# Altium PCB PCB - 100x100 - 85x85.PcbDoc (part 1 of 2)
Units mil, origin at the board's own origin, x right, y up, seen from the top; angles counter-clockwise.
Board outline 3937.01 x 3937.01 mil, 2 copper layers (Top Layer, Bottom Layer); 193 components, 168 nets, 616 pads, 0 vias.
Unrouted connection lines stored in the file: 41.
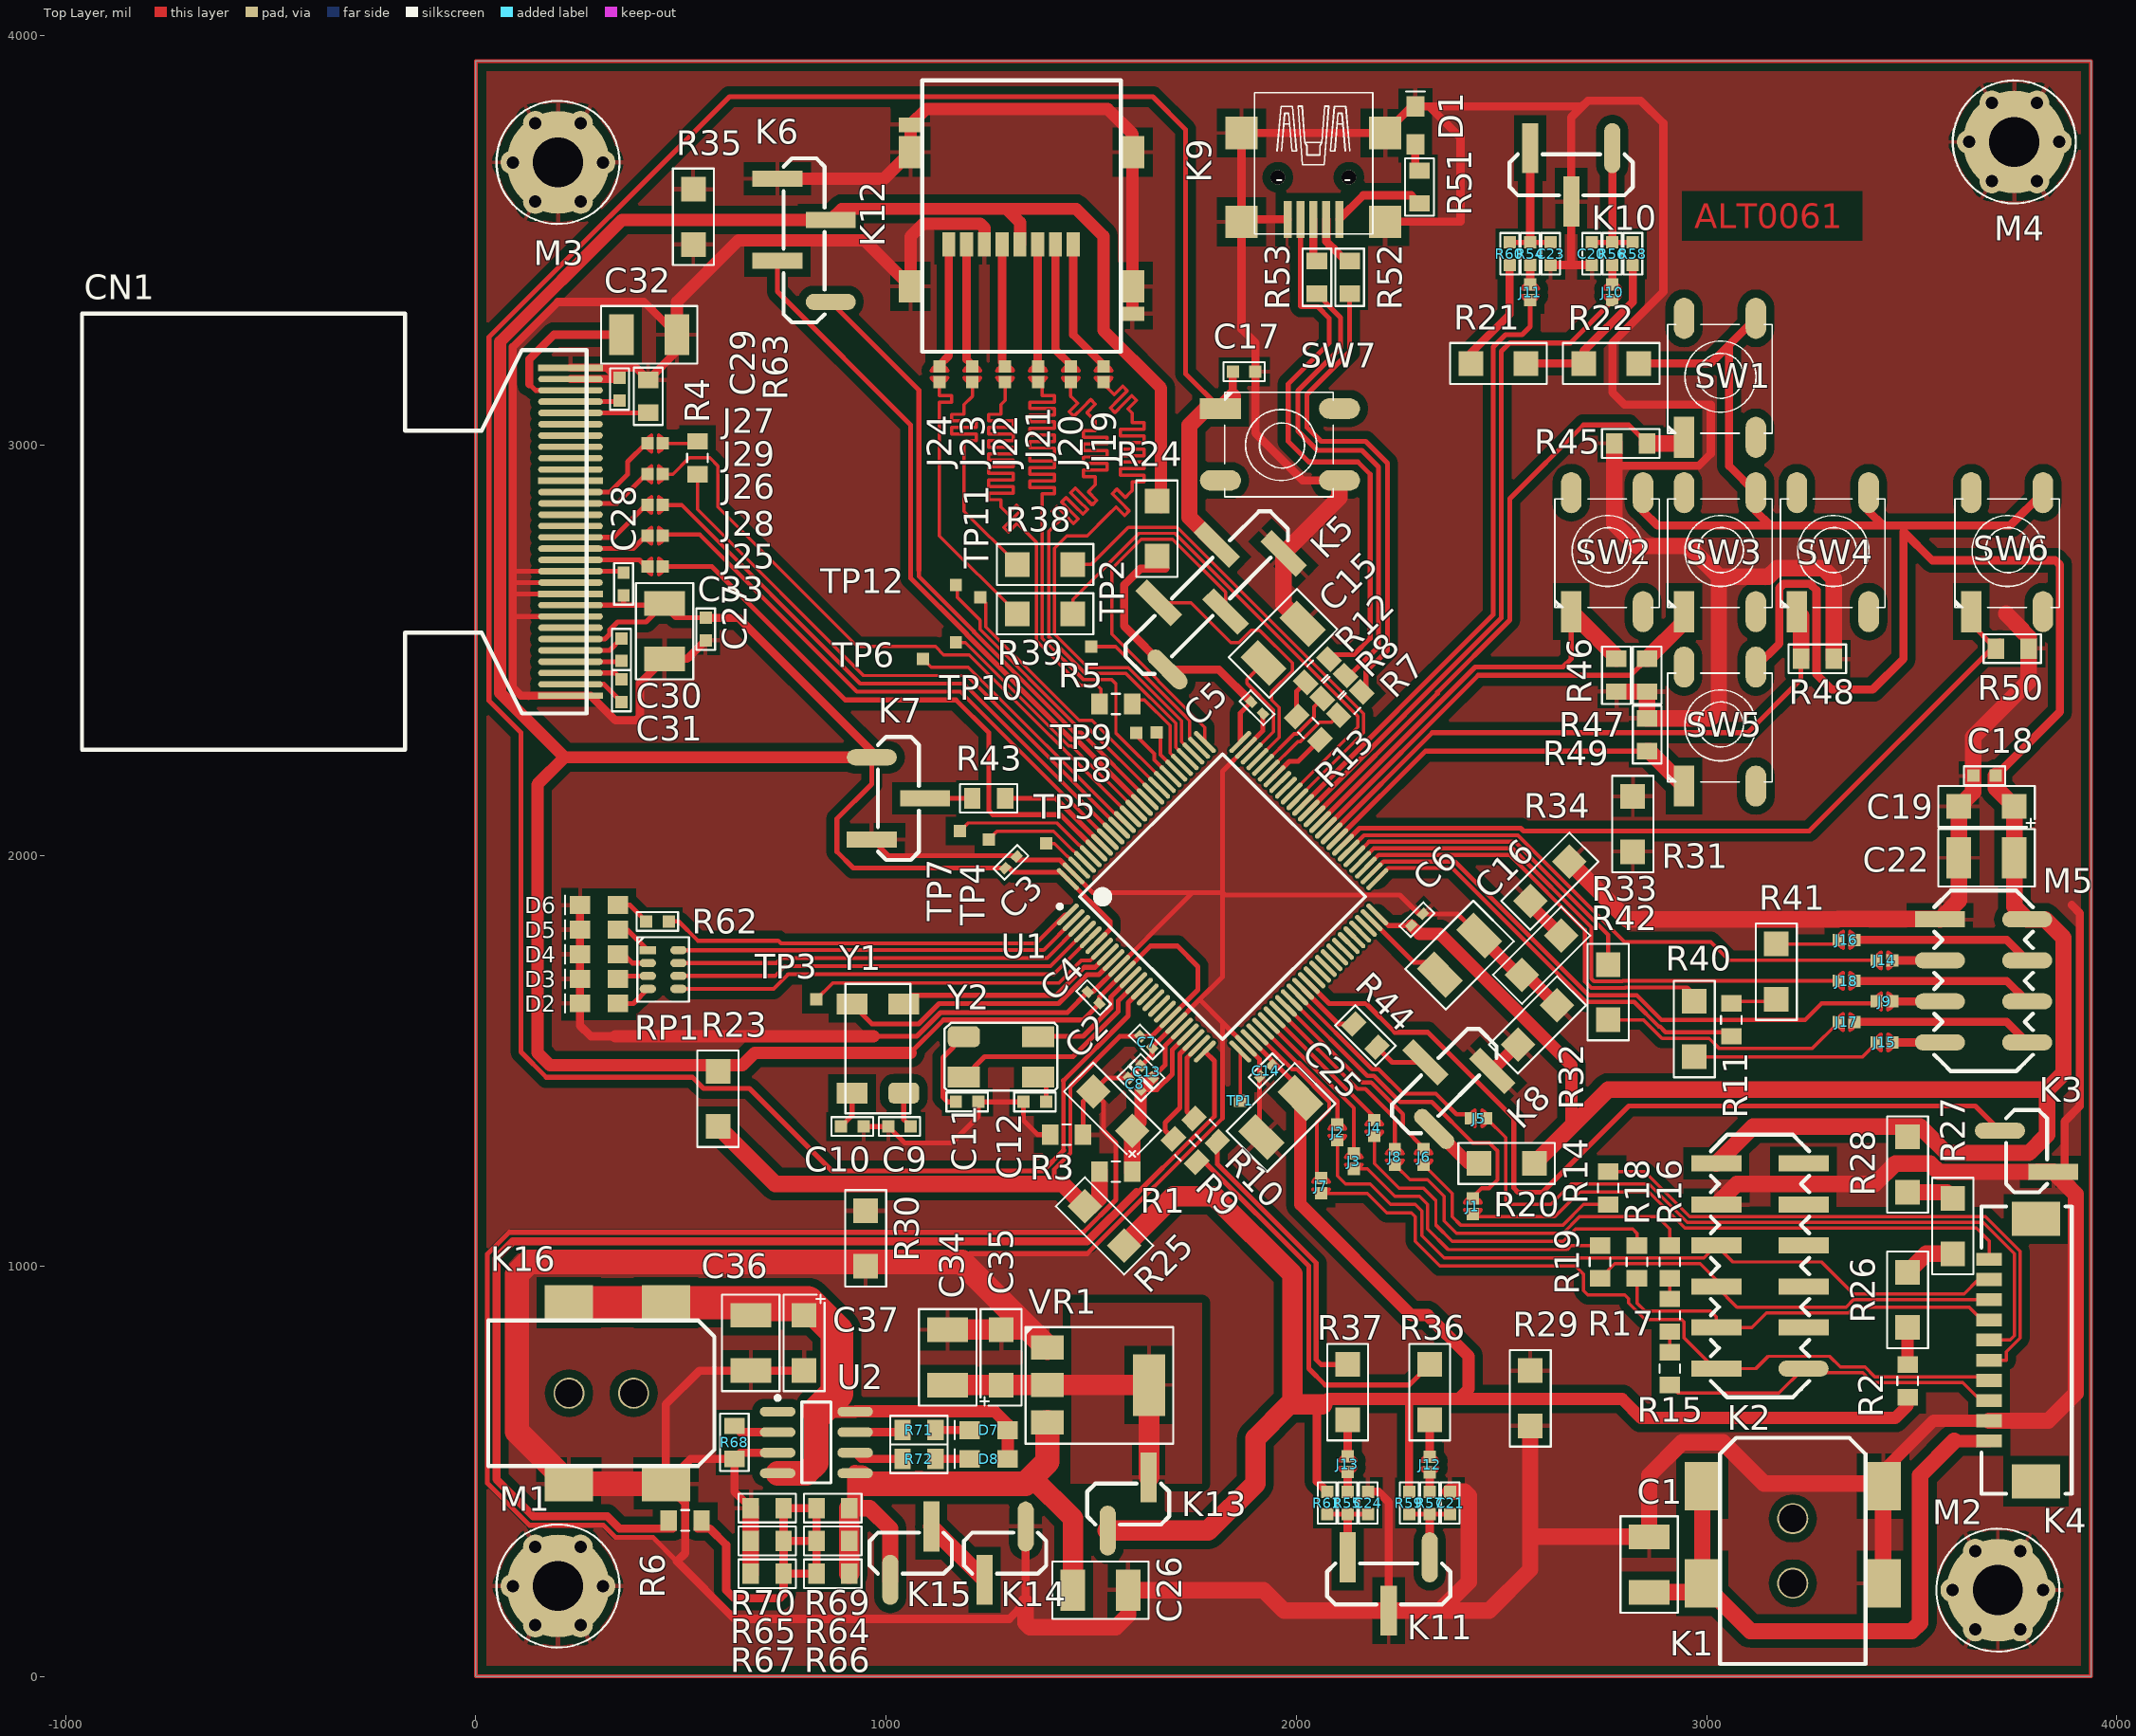
[diagram p0: Top Layer view]
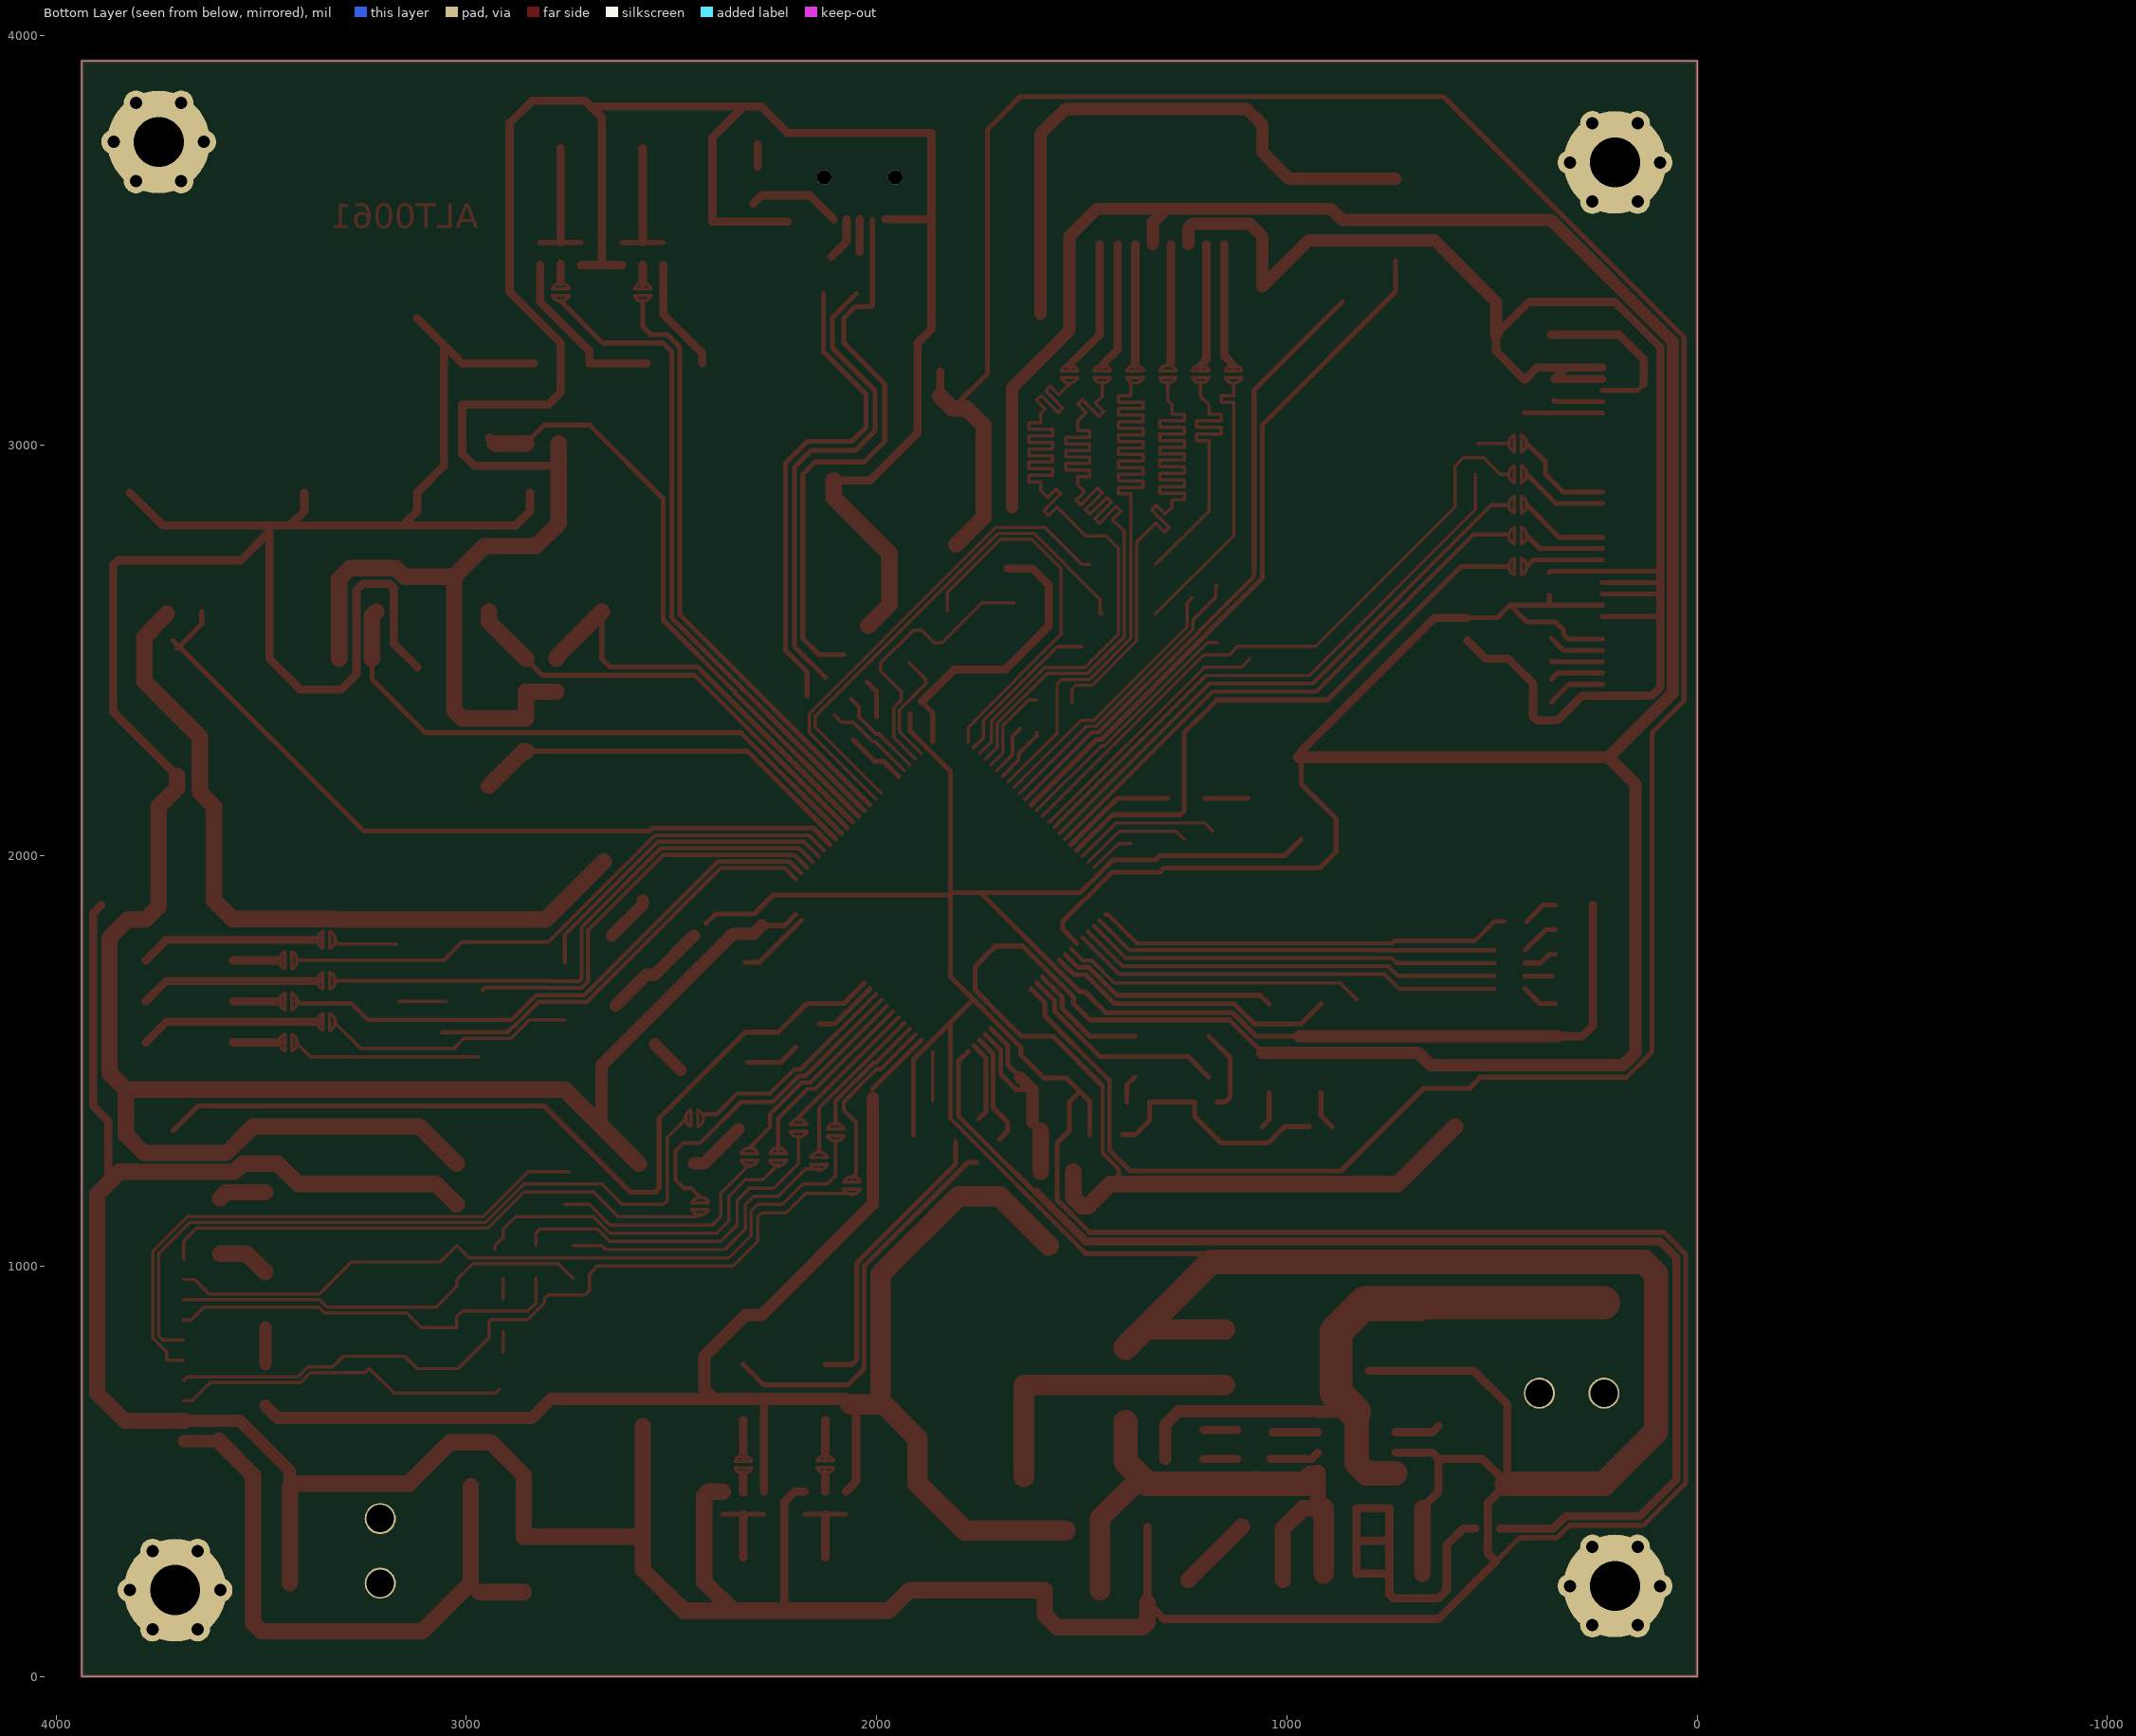
[diagram p1: Bottom Layer view, seen from below]

## Layer stack, top to bottom
Top Solder: solder mask 0.4, Solder Resist, Dk 3.5
Top Layer: signal copper 1.4
Dielectric1: dielectric 12.6, FR-4, Dk 4.8
Bottom Layer: signal copper 1.4
Bottom Solder: solder mask 0.4, Solder Resist, Dk 3.5

## Board outline
0,0 3937.01,0 3937.01,3937.01 0,3937.01

## Design rules (kind name [scope] priority, off if disabled: settings)
Clearance Clearance_2 [InComponent('U1')] p1: gap=6
Clearance Clearance_1 [InPolygon] p2: gap=20
Clearance [All] p3: gap=6
DiffPairsRouting [All] p1: maxlimit=10 minlimit=6 mostfreqgap=10 toplayer_minwidth=8 toplayer_maxwidth=15 toplayer_prefwidth=10 bottomlayer_minwidth=8 bottomlayer_maxwidth=15 bottomlayer_prefwidth=10 maxuncoupledlength=500
HoleSize [All] p1: absolutevalues=TRUE maxlimit=300 minlimit=1 maxpercent=80.000 minpercent=20.000
Length [(InNet('SD_DAT2') OR InNet('SD_DAT3') OR InNet('SD_CMD') OR InNet('SD_CLK') OR InNet('SD_DAT0') OR InNet('SD_DAT1'))] p1: maxlimit=2200 minlimit=2100
MatchedLengths [(InNet('SD_DAT2') OR InNet('SD_DAT3') OR InNet('SD_CMD') OR InNet('SD_CLK') OR InNet('SD_DAT0') OR InNet('SD_DAT1'))] p1: tolerance=50 checknetsindiffpair=TRUE checkdiffpairvsdiffpair=TRUE checkothers=TRUE
MinimumSolderMaskSliver [All] p1: minsoldermaskwidth=1
PlaneConnect [All] p1: planeconnectstyle=Relief reliefexpansion=20 reliefentries=4 reliefconductorwidth=10 reliefairgap=20
PolygonConnect [All] p1: connectstyle=Relief reliefconductorwidth=10 reliefentries=4 polygonreliefangle="90 Angle" airgapwidth=20
RoutingVias [All] p1: holewidth=28 width=50 viastyle="Through Hole" minholewidth=28 minwidth=50 maxholewidth=28 maxwidth=50
SilkToSilkClearance [All] p1: silktosilkclearance=0
SilkToSolderMaskClearance [IsPad] p1: minsilkscreentomaskgap=0 clearancetoexposedcopper=TRUE
SolderMaskExpansion [All] p1: expansion=4
Width [All] p1: maxlimit=150 minlimit=8 preferedwidth=20
24 further rules are at their usual default settings.

## Classes and differential pairs
differential pair USB: +USB_P -USB_N

## Components (designator, comment, footprint, x,y, rotation, side; value= is the part's Value field where it differs from the comment)
C1 "TBD" 1210C-GENERIC 2860,340 r270 top
C2 "1206 10u16V TANT" 1206C+_TANTAL-10u16V 1600,1330 r135 top
C3 "1uF" 0402C-GENERIC 1290,1970 r45 top
C4 "1uF" 0402C-GENERIC 1520,1640 r135 top
C5 "1uF" 0402C-GENERIC 1890,2375 r315 top
C6 "1uF" 0402C-GENERIC 2280,1830 r45 top
C7 "1uF" 0402C-GENERIC 1620,1560 r315 top
C8 "1uF" 0402C-GENERIC 1620,1430 r135 top
C9 "7pF" 0603C-GENERIC 1060,1340 r180 top
C10 "7pF" 0603C-GENERIC 890,1340 r0 top
C11 "22pF" 0603C-GENERIC 1170,1400 r0 top
C12 "22pF" 0603C-GENERIC 1390,1400 r180 top
C13 "1uF" 0402C-GENERIC 1650,1460 r135 top
C14 "1uF" 0402C-GENERIC 1940,1490 r225 top
C15 "TBD" 1210C-GENERIC 1920,2470 r45 top
C16 "TBD" 1210C-GENERIC 2350,1710 r45 top
C17 "100nF" 0603C-GENERIC 1900,3180 r180 top
C18 "100nF" 0603C-GENERIC 3650,2195 r0 top
C19 "1206 10u16V TANT" 1206C+_TANTAL-10u16V 3750,2120 r180 top
C20 "100nF" 0603C-GENERIC 2720,3440 r90 top
C21 "100nF" 0603C-GENERIC 2375,450 r270 top
C22 "TBD" 1210C-GENERIC 3750,1995 r180 top
C23 "100nF" 0603C-GENERIC 2620,3440 r90 top
C24 "100nF" 0603C-GENERIC 2175,450 r270 top
C25 "TBD" 1210C-GENERIC 2010,1410 r225 top
C26 "TBD" 1210C-GENERIC 1590,210 r180 top
C27 "1uF" 0603C-GENERIC 560,2580 r270 top
C28 "1uF" 0603C-GENERIC 360,2690 r270 top
C29 "2n2" 0603C-GENERIC 350,3110 r90 top
C30 "1uF" 0603C-GENERIC 355,2530 r270 top
C31 "1uF" 0603C-GENERIC 355,2430 r270 top
C32 "TBD" 1210C-GENERIC 490,3270 r180 top
C33 "TBD" 1210C-GENERIC 460,2480 r90 top
C34 "TBD" 1210C-GENERIC 1150,710 r90 top
C35 "1206 10u16V TANT" 1206C+_TANTAL-10u16V 1280,710 r90 top
C36 "TBD" 1210C-GENERIC 670,880 r270 top
C37 "1206 10u16V TANT" 1206C+_TANTAL-10u16V 800,880 r270 top
CN1 "SSD1306_128x64_OLED" SSD1306_128x64_OLED 270,2790 r90 top
D1 "0805" 0805LED 2290,3780 r90 top
D2 "0805" 0805LED 300,1640 r180 top
D3 "0805" 0805LED 300,1700 r180 top
D4 "0805" 0805LED 300,1760 r180 top
D5 "0805" 0805LED 300,1820 r180 top
D6 "0805" 0805LED 300,1880 r180 top
D7 "0805" 0805LED 1250,600 r180 top
D8 "0805" 0805LED 1250,530 r180 top
J1 "Connector_Production Connectors_SMD_BYPASS" BYPASS#1 2430,1180 r270 top
J2 "Connector_Production Connectors_SMD_BYPASS" BYPASS#2 2100,1360 r270 top
J3 "Connector_Production Connectors_SMD_BYPASS" BYPASS#3 2140,1290 r270 top
J4 "Connector_Production Connectors_SMD_BYPASS" BYPASS#3 2190,1370 r270 top
J5 "Connector_Production Connectors_SMD_BYPASS" BYPASS#1 2410,1360 r0 top
J6 "Connector_Production Connectors_SMD_BYPASS" BYPASS#3 2310,1300 r270 top
J7 "Connector_Production Connectors_SMD_BYPASS" BYPASS#1 2060,1230 r270 top
J8 "Connector_Production Connectors_SMD_BYPASS" BYPASS#3 2240,1300 r270 top
J9 "Connector_Production Connectors_SMD_BYPASS" BYPASS#3 3400,1645 r0 top
J10 "Connector_Production Connectors_SMD_BYPASS" BYPASS#3 2770,3340 r90 top
J11 "Connector_Production Connectors_SMD_BYPASS" BYPASS#3 2570,3340 r90 top
J12 "Connector_Production Connectors_SMD_BYPASS" BYPASS#3 2325,550 r270 top
J13 "Connector_Production Connectors_SMD_BYPASS" BYPASS#3 2125,550.83 r270 top
J14 "Connector_Production Connectors_SMD_BYPASS" BYPASS#3 3400,1745 r0 top
J15 "Connector_Production Connectors_SMD_BYPASS" BYPASS#3 3400,1545 r0 top
J16 "Connector_Production Connectors_SMD_BYPASS" BYPASS#3 3375,1795 r180 top
J17 "Connector_Production Connectors_SMD_BYPASS" BYPASS#3 3375,1595 r180 top
J18 "Connector_Production Connectors_SMD_BYPASS" BYPASS#3 3375,1695 r180 top
J19 "Connector_Production Connectors_SMD_BYPASS" BYPASS#1 1530,3140 r90 top
J20 "Connector_Production Connectors_SMD_BYPASS" BYPASS#1 1450,3140 r90 top
J21 "Connector_Production Connectors_SMD_BYPASS" BYPASS#1 1370,3140 r90 top
J22 "Connector_Production Connectors_SMD_BYPASS" BYPASS#1 1290,3140 r90 top
J23 "Connector_Production Connectors_SMD_BYPASS" BYPASS#4 1210,3140 r90 top
J24 "Connector_Production Connectors_SMD_BYPASS" BYPASS#4 1130,3140 r90 top
J25 "Connector_Production Connectors_SMD_BYPASS" BYPASS#1 470.83,2705 r180 top
J26 "Connector_Production Connectors_SMD_BYPASS" BYPASS#3 470.83,2855 r180 top
J27 "Connector_Production Connectors_SMD_BYPASS" BYPASS#1 470.83,3005 r180 top
J28 "Connector_Production Connectors_SMD_BYPASS" BYPASS#3 470.83,2780 r180 top
J29 "Connector_Production Connectors_SMD_BYPASS" BYPASS#3 470.83,2930 r180 top
K1 "Connector_Power_SMD_5.5mm" ADC-028 3210,30 r0 top
K2 "Connector_Headers_SMD_M_6x2" "Header_Male_2.54 6x2" 3130,750 r180 top
K3 "Connector_Headers_SMD_M_2x1" "Header_Male_2.54 2x1" 3780,1330 r0 top
K4 "Connector_Terminal_SMD_53261-1071" 53261-1071 3720,795 r90 top
K5 "Connector_Headers_SMD_M_5x1-SWD" "Header_Male_2.54 5x1" 1640,2500 r135 top
K6 "Connector_Headers_SMD_M_4x1" "Header_Male_2.54 4x1" 800,3350 r180 top
K7 "Connector_Headers_SMD_M_3x1" "Header_Male_2.54 3x1" 1030,2240 r0 top
K8 "Connector_Headers_SMD_M_3x1" "Header_Male_2.54 3x1" 2290,1380 r135 top
K9 "Connector_USB_SMD_USB_F_MINI" USB_F_MINI 2041.43,3551.26 r270 top
K10 "Connector_Headers_SMD_M_3x1" "Header_Male_2.54 3x1" 2770,3660 r270 top
K11 "Connector_Headers_SMD_M_3x1" "Header_Male_2.54 3x1" 2325,225 r270 top
K12 "Micro SD" SCHD3A0100 1330,3890 r0 top
K13 "Connector_Headers_SMD_M_2x1" "Header_Male_2.54 2x1" 1540,420 r90 top
K14 "Connector_Headers_SMD_M_2x1" "Header_Male_2.54 2x1" 1340,300 r270 top
K15 "Connector_Headers_SMD_M_2x1" "Header_Male_2.54 2x1" 1010,300 r90 top
K16 "Connector_Power_SMD_5.5mm" ADC-028 30,690 r270 top
M1 "M" MOUNTING 200,220 r0 top
M2 "M" MOUNTING 3710,210 r0 top
M3 "M" MOUNTING 200,3690 r0 top
M4 "M" MOUNTING 3750,3740 r0 top
M5 "Communication_ISM_nRF24L01+" nRF24L01+_SMD 3675,1545 r180 top
R1 "0805-0R" 0805R-GENERIC 1530,1230 r0 top
R2 "0805-0R" 0805R-GENERIC 3490,690 r90 top
R3 "0805-0R" 0805R-GENERIC 1470,1320 r180 top
R4 "0805-0R" 0805R-GENERIC 540,2940 r90 top
R5 "0805-0R" 0805R-GENERIC 1590,2370 r180 top
R6 "0805-0R" 0805R-GENERIC 540,380 r180 top
R7 "0805-0R" 0805R-GENERIC 2110,2350 r45 top
R8 "0805-0R" 0805R-GENERIC 2070,2390 r45 top
R9 "0805-0R" 0805R-GENERIC 1750,1260 r135 top
R10 "0805-0R" 0805R-GENERIC 1800,1310 r135 top
R11 "0805-0R" 0805R-GENERIC 3060,1570 r90 top
R12 "0805-0R" 0805R-GENERIC 2030,2430 r45 top
R13 "0805-0R" 0805R-GENERIC 2050,2290 r135 top
R14 "0805-0R" 0805R-GENERIC 2760,1160 r90 top
R15 "0805-0R" 0805R-GENERIC 2910,720 r90 top
R16 "0805-0R" 0805R-GENERIC 2910,980 r90 top
R17 "0805-0R" 0805R-GENERIC 2910,850 r90 top
R18 "0805-0R" 0805R-GENERIC 2830,980 r90 top
R19 "0805-0R" 0805R-GENERIC 2740,980 r90 top
R20 "1206R-0R" 1206R-GENERIC 2580,1250 r180 top
R21 "1206R-0R" 1206R-GENERIC 2560,3200 r180 top
R22 "1206R-0R" 1206R-GENERIC 2700,3200 r0 top
R23 "1206R-0R" 1206R-GENERIC 590,1340 r90 top
R24 "1206R-0R" 1206R-GENERIC 1660,2730 r90 top
R25 "1206R-0R" 1206R-GENERIC 1580,1050 r135 top
R26 "1206R-0R" 1206R-GENERIC 3490,850 r90 top
R27 "1206R-0R" 1206R-GENERIC 3600,1030 r90 top
R28 "1206R-0R" 1206R-GENERIC 3490,1180 r90 top
R29 "1206R-0R" 1206R-GENERIC 2570,610 r90 top
R30 "1206R-0R" 1206R-GENERIC 950,1000 r90 top
R31 "1206R-0R" 1206R-GENERIC 2820,2010 r90 top
R32 "1206R-0R" 1206R-GENERIC 2540,1540 r45 top
R33 "1206R-0R" 1206R-GENERIC 2550,1710 r45 top
R34 "1206R-0R" 1206R-GENERIC 2570,1890 r45 top
R35 "1206R-0R" 1206R-GENERIC 530,3490 r90 top
R36 "1206R-0R" 1206R-GENERIC 2325,625 r90 top
R37 "1206R-0R" 1206R-GENERIC 2125,625 r90 top
R38 "1206R-0R" 1206R-GENERIC 1320,2710 r0 top
R39 "1206R-0R" 1206R-GENERIC 1320,2590 r0 top
R40 "1206R-0R" 1206R-GENERIC 2970,1510 r90 top
R41 "1206R-0R" 1206R-GENERIC 3170,1650 r90 top
R42 "1206R-0R" 1206R-GENERIC 2760,1600 r90 top
R43 "10K" 0805R-10K 1290,2140 r180 top
R44 "10K" 0805R-10K 2140,1590 r315 top
R45 "10K" 0805R-10K 2855,3005 r180 top
R46 "10K" 0805R-10K 2780,2480 r270 top
R47 "10K" 0805R-10K 2855,2480 r270 top
R48 "10K" 0805R-10K 3230,2480 r0 top
R49 "10K" 0805R-10K 2855,2255 r90 top
R50 "10K" 0805R-10K 3705,2505 r0 top
R51 "330R" 0805R-330 2300,3590 r90 top
R52 "22R" 0805R-22 2130,3440 r270 top
R53 "22R" 0805R-22 2050,3440 r270 top
R54 "10K" 0603R-TBD 2570,3440 r90 top
R55 "10K" 0603R-TBD 2125,450 r270 top
R56 "10K" 0603R-TBD 2770,3440 r90 top
R57 "10K" 0603R-TBD 2325,450 r270 top
R58 "10K" 0603R-TBD 2820,3440 r90 top
R59 "10K" 0603R-TBD 2275,450 r270 top
R60 "10K" 0603R-TBD 2520,3440 r90 top
R61 "10K" 0603R-TBD 2075,450 r270 top
R62 "100R" 0603R-100 470,1840 r180 top
R63 "330K" 0805R-330K 420,3150 r270 top
R64 "100K" 0805R-100K 900,330 r180 top
R65 "100K" 0805R-100K 740,330 r180 top
R66 "100K" 0805R-100K 900,250 r180 top
R67 "100K" 0805R-100K 740,250 r180 top
R68 "10K" 0805R-10K 630,530 r90 top
R69 "100K" 0805R-100K 900,410 r180 top
R70 "100K" 0805R-100K 740,410 r180 top
R71 "680R" 0805R-680 1050,600 r0 top
R72 "680R" 0805R-680 1050,530 r0 top
RP1 "4X100R" 1206-ARRAY-4-GENERIC 420,1770 r0 top
SW1 "Mechanical_Switch_1P1T_SMD_SW-PB6MM" SW-PB-SMD 2955,3030 r90 top
SW2 "Mechanical_Switch_1P1T_SMD_SW-PB6MM" SW-PB-SMD 2680,2605 r90 top
SW3 "Mechanical_Switch_1P1T_SMD_SW-PB6MM" SW-PB-SMD 2955,2605 r90 top
SW4 "Mechanical_Switch_1P1T_SMD_SW-PB6MM" SW-PB-SMD 3230,2605 r90 top
SW5 "Mechanical_Switch_1P1T_SMD_SW-PB6MM" SW-PB-SMD 2955,2180 r90 top
SW6 "Mechanical_Switch_1P1T_SMD_SW-PB6MM" SW-PB-SMD 3655,2605 r90 top
SW7 "Mechanical_Switch_1P1T_SMD_SW-PB6MM" SW-PB-SMD 1825,3080 r0 top
TP1 "Connector_Production Connectors_SMD_TESTPOINT" TESTPOINT 1863.15,1403.15 r90 top
TP2 "Connector_Production Connectors_SMD_TESTPOINT" TESTPOINT 1500,2510 r90 top
TP3 "Connector_Production Connectors_SMD_TESTPOINT" TESTPOINT 830,1650 r90 top
TP4 "Connector_Production Connectors_SMD_TESTPOINT" TESTPOINT 1250,2040 r90 top
TP5 "Connector_Production Connectors_SMD_TESTPOINT" TESTPOINT 1390,2030 r90 top
TP6 "Connector_Production Connectors_SMD_TESTPOINT" TESTPOINT 1090,2480 r90 top
TP7 "Connector_Production Connectors_SMD_TESTPOINT" TESTPOINT 1180,2060 r90 top
TP8 "Connector_Production Connectors_SMD_TESTPOINT" TESTPOINT 1659.25,2300.75 r90 top
TP9 "Connector_Production Connectors_SMD_TESTPOINT" TESTPOINT 1610,2300 r90 top
TP10 "Connector_Production Connectors_SMD_TESTPOINT" TESTPOINT 1170,2520 r90 top
TP11 "Connector_Production Connectors_SMD_TESTPOINT" TESTPOINT 1230,2630 r90 top
TP12 "Connector_Production Connectors_SMD_TESTPOINT" TESTPOINT 1170,2660 r90 top
U1 "Microcontrollers_ST_ARM_STM32F4_STM32F407VGT6" STM-LQFP100_N 1820,1900 r45 top
U2 "Lipo Battery Charger" SO8_N 830,570 r0 top
VR1 "LD1117-SOT223" SOT223 1500,710 r270 top
Y1 "MC-306" "XTAL MC-306" 980,1530 r270 top
Y2 "6035" "XTAL 6035" 1280,1510 r0 top

## Footprints (in the part's own frame and the unit in brackets; to place one, negate y for a bottom-side part, rotate by r counter-clockwise, add the part's x,y. Pads: shape width x height; smd on the part's side, far side on the other; paste and mask are expansions set on the pad)
0402C-GENERIC [mil] "CAPACITOR 0603"
  rect 25x20 smd: 1(0,0) 2(40,0)
  silkscreen extent -21,-19 61,19
0603C-GENERIC [mil] "CAPACITOR 0603"
  rect 30x30 smd: 1(0,0) 2(55,0)
  silkscreen extent -23,-23 78,23, body extent -4,-15 59,15, height 19
0603R-100 [mil] "RESISTOR 0603"
  rect 30x30 smd: 1(0,0) 2(55,0)
  silkscreen extent -23,-23 78,23, body extent -4,-15 59,15, height 20
0603R-TBD [mil] "RESISTOR 0603 VALUE TO BE DETERMINED"
  rect 30x30 smd: 1(0,0) 2(55,0)
  silkscreen extent -23,-23 78,23, body extent -4,-15 59,15, height 20
0805LED [mm]
  rect 1.25x1.1 smd: A(-1.175,0) K(1.175,0)
  silkscreen extent 2.1,-0.6 2.1,0.59
0805R-10K [mil] "RESISTOR 0805"
  rect 40x50 smd: 1(0,0) 2(80,0)
  silkscreen extent -30,-35 110,35, body extent -1,-25 80,25, height 27
0805R-22 [mil] "RESISTOR 0805"
  rect 40x50 smd: 1(-10,0) 2(70,0)
  silkscreen extent -40,-35 100,35, body extent -11,-25 70,25, height 27
0805R-100K [mil] "RESISTOR 0805"
  rect 40x50 smd: 1(-10,0) 2(70,0)
  silkscreen extent -40,-35 100,35, body extent -11,-25 70,25, height 27
0805R-330 [mil] "RESISTOR 0805"
  rect 40x50 smd: 1(0,0) 2(80,0)
  silkscreen extent -30,-35 110,35, body extent -1,-25 80,25, height 27
0805R-330K [mil] "RESISTOR 0805"
  rect 40x50 smd: 1(-10,0) 2(70,0)
  silkscreen extent -40,-35 100,35, body extent -11,-25 70,25, height 27
0805R-680 [mil] "RESISTOR 0805"
  rect 40x50 smd: 1(-10,0) 2(70,0)
  silkscreen extent -40,-35 100,35, body extent -11,-25 70,25, height 27
0805R-GENERIC [mil] "RESISTOR 0805"
  rect 40x50 smd: 1(-10,0) 2(70,0)
  silkscreen extent 20,-25 40,25, body extent -11,-25 70,25, height 27
1206-ARRAY-4-GENERIC [mil]
  rect 40x20 smd: 1(-1,0)
  oval 40x20 smd: 2(-1,-31.5) 3(-1,-62.99) 4(-1,-94.49) 5(73.99,-94.49) 6(73.99,-62.99) 7(73.99,-31.5) 8(73.99,0)
  silkscreen extent -26,-126 99,31, body extent -6,-113 80,20, height 26
1206C+_TANTAL-10u16V [mil] "10uF - 16V"
  rect 60x60 smd: 1(0,0) 2(135,0)
  silkscreen extent -50,-50 185,50, body extent 1,-36 135,35, height 75
1206R-GENERIC [mil] "RESISTOR 0805"
  rect 60x60 smd: 1(0,0) 2(135,0)
  silkscreen extent -50,-50 185,50
1210C-GENERIC [mil] "CAPACITOR 0603"
  rect 60x100 smd: 1(0,0) 2(135,0)
  silkscreen extent -50,-70 185,70, body extent -10,-50 145,50, height 46
53261-1071 [mm]
  rect 2.1x3 smd: 0(-8.125,-2.1) 0(8.125,-2.1)
  rect 0.8x1.6 smd: 1(5.625,0.8) 2(4.375,0.8) 3(3.125,0.8) 4(1.875,0.8) 5(0.625,0.8) 6(-0.625,0.8) 7(-1.875,0.8) 8(-3.125,0.8) 9(-4.375,0.8) 10(-5.625,0.8)
  silkscreen extent -8.89,-4.32 8.89,1.27, body extent -8.83,-4.13 8.82,1.07, height 3.4
ADC-028 [mm]
  round 1.924 hole 1.7: 0(0,5) 1(0,9)
  rect 2.2x3 smd: GND(5.6,5) GND(5.6,11) VCC(-5.6,5) VCC(-5.6,11)
  silkscreen extent -4.5,0 4.5,14
BYPASS#1 [mil] "SOLDERDOT BYPASS"
  rect 30x30 smd paste-300: 1(15,0)
  rect 30x30 smd paste-30: 2(53,0)
  Top Layer lines w8: 42.17,-20.43 ccw(c34,0) 56,0 ccw(c34,0) 53,11.09 ccw(c34,0) 42.17,20.43 42.17,0 42.17,-20.43 ; 25.83,-20.43 cw(c34,0) 12,0 cw(c34,0) 25.83,20.43 25.83,0 25.83,-20.43
BYPASS#2 [mil] "SOLDERDOT BYPASS"
  rect 30x30 smd paste-300: 1(15,0)
  rect 30x30 smd paste-30: 2(53,0)
  Top Layer lines w8: 42.17,-20.43 ccw(c34,0) 56,0 ccw(c34,0) 55.89,2.24 ccw(c34,0) 42.17,20.43 42.17,2.24 42.17,0 42.17,-20.43 ; 25.83,-20.43 cw(c34,0) 12,0 cw(c34,0) 25.83,20.43 25.83,0 25.83,-20.43
BYPASS#3 [mil] "SOLDERDOT BYPASS"
  rect 30x30 smd paste-300: 1(15,0)
  rect 30x30 smd paste-30: 2(53,0)
  Top Layer lines w8: 42.17,-20.43 ccw(c34,0) 53,11.09 ccw(c34,0) 42.17,20.43 42.17,0 42.17,-20.43 ; 25.83,-20.43 cw(c34,0) 12,0 cw(c34,0) 25.83,20.43 25.83,0 25.83,-20.43
BYPASS#4 [mil] "SOLDERDOT BYPASS"
  rect 30x30 smd paste-300: 1(15,0)
  rect 30x30 smd paste-30: 2(53,0)
  Top Layer lines w8: 25.83,20.43 ccw(c34,0) 15,11.09 ccw(c34,0) 12,0 ccw(c34,0) 12.18,-2.82 ccw(c34,0) 25.83,-20.43 25.83,0 25.83,20.43 ; 42.17,20.43 cw(c34,0) 56,0 cw(c34,0) 42.17,-20.43 42.17,0 42.17,20.43
"Header_Male_2.54 2x1" [mm]
  oval 3.1x1 smd: 1(-1.651,0)
  rect 3.1x1 smd: 2(1.651,-2.54)
  silkscreen extent -1.27,-3.81 1.27,1.27
"Header_Male_2.54 3x1" [mm]
  oval 3.1x1 smd: 1(-1.651,0)
  rect 3.1x1 smd: 2(1.651,-2.54) 3(-1.651,-5.08)
  silkscreen extent -1.27,-6.35 1.27,1.27
"Header_Male_2.54 4x1" [mm]
  oval 3.1x1 smd: 1(-1.651,0)
  rect 3.1x1 smd: 2(1.651,-2.54) 3(-1.651,-5.08) 4(1.651,-7.62)
  silkscreen extent -1.27,-8.89 1.27,1.27
"Header_Male_2.54 5x1" [mm]
  oval 3.1x1 smd: 1(-1.651,0)
  rect 3.1x1 smd: 2(1.651,-2.54) 3(-1.651,-5.08) 4(1.651,-7.62) 5(-1.651,-10.16)
  silkscreen extent -1.27,-11.43 1.27,1.27
"Header_Male_2.54 6x2" [mm]
  oval 3.1x1 smd: 1(-2.7,0)
  rect 3.1x1 smd: 2(2.7,0) 3(-2.7,-2.54) 4(2.7,-2.54) 5(-2.7,-5.08) 6(2.7,-5.08) 7(-2.7,-7.62) 8(2.7,-7.62) 9(-2.7,-10.16) 10(2.7,-10.16) 11(-2.7,-12.7) 12(2.7,-12.7)
  silkscreen extent -3.05,-14.48 3.05,1.78
MOUNTING [mil]
  round 250 hole 122.05: 1(0,0)
  round 60 hole 30: 2(-55,95.26) 3(55,95.26) 4(110,0) 5(55,-95.26) 6(-55,-95.26) 7(-110,0)
  silkscreen extent -150,-150 150,150
nRF24L01+_SMD [mm]
  rect 3.1x1 smd: 1(2.7,-7.62)
  oval 3.1x1 smd: 2(-2.7,-7.62) 3(2.7,-5.08) 4(-2.7,-5.08) 5(2.7,-2.54) 6(-2.7,-2.54) 7(2.7,0) 8(-2.7,0)
  silkscreen extent -3.05,-9.4 3.05,1.78
SCHD3A0100 [mm]
  rect 0.8x1.5 smd: 1(3.2,-10.15) 2(2.1,-10.15) 3(1,-10.15) 4(-0.1,-10.15) 5(-1.2,-10.15) 6(-2.3,-10.15) 7(-3.4,-10.15) 8(-4.5,-10.15)
  rect 1.45x2 smd: 6(-6.875,-12.75) 6(-6.875,-4.45) 6(6.875,-12.75) 6(6.875,-4.45)
  rect 1.45x0.9 smd: 6(-6.875,-2.75) 6(6.875,-14.45)
  silkscreen extent -6.15,-16.8 6.15,0
SO8_N [mm] "SOIC, 8-Leads, Body 4.9x3.9mm, Pitch 1.27mm, IPC Medium Density"
  oval 2.2x0.6 smd: 1(-2.4,1.905) 2(-2.4,0.635) 3(-2.4,-0.635) 4(-2.4,-1.905) 5(2.4,-1.905) 6(2.4,-0.635) 7(2.4,0.635) 8(2.4,1.905)
  silkscreen extent -2.52,-2.5 0.9,2.88, body extent -2,-2.5 2,2.5, height 1.75
SOT223 [mil]
  rect 59x79 smd: 1(-91,-107) 2(0,-107) 3(91,-107)
  rect 150x79 smd: 4(0,141)
  silkscreen extent -141,-161 143,200, body extent -131,-105 135,162, height 51
SSD1306_128x64_OLED [mm]
  rect 0.4x4 smd: 1(-10.15,1) 10(-3.85,1) 20(3.15,1) 30(10.15,1)
  oval 0.4x4 smd: 2(-9.45,1) 3(-8.75,1) 4(-8.05,1) 5(-7.35,1) 6(-6.65,1) 7(-5.95,1) 8(-5.25,1) 9(-4.55,1) 11(-3.15,1) 12(-2.45,1) 13(-1.75,1) 14(-1.05,1) 15(-0.35,1) 16(0.35,1) 17(1.05,1) 18(1.75,1) 19(2.45,1) 21(3.85,1) 22(4.55,1) 23(5.25,1) 24(5.95,1) 25(6.65,1) 26(7.35,1) 27(8.05,1) 28(8.75,1) 29(9.45,1)
  silkscreen extent -13.5,0 13.5,31.25
STM-LQFP100_N [mm] "Thin QFP, 100-Leads, Body 14x14mm, Pitch 0.5mm, IPC Medium Density"
  oval 1.8x0.3 smd: 1(-7.55,6) 2(-7.55,5.5) 3(-7.55,5) 4(-7.55,4.5) 5(-7.55,4) 6(-7.55,3.5) 7(-7.55,3) 8(-7.55,2.5) 9(-7.55,2) 10(-7.55,1.5) 11(-7.55,1) 12(-7.55,0.5) 13(-7.55,0) 14(-7.55,-0.5) 15(-7.55,-1) 16(-7.55,-1.5) 17(-7.55,-2) 18(-7.55,-2.5) 19(-7.55,-3) 20(-7.55,-3.5) 21(-7.55,-4) 22(-7.55,-4.5) 23(-7.55,-5) 24(-7.55,-5.5) 25(-7.55,-6) 51(7.55,-6) 52(7.55,-5.5) 53(7.55,-5) 54(7.55,-4.5) 55(7.55,-4) 56(7.55,-3.5) 57(7.55,-3) 58(7.55,-2.5) 59(7.55,-2) 60(7.55,-1.5) 61(7.55,-1) 62(7.55,-0.5) 63(7.55,0) 64(7.55,0.5) 65(7.55,1) 66(7.55,1.5) 67(7.55,2) 68(7.55,2.5) 69(7.55,3) 70(7.55,3.5) 71(7.55,4) 72(7.55,4.5) 73(7.55,5) 74(7.55,5.5) 75(7.55,6)
  oval 0.3x1.8 smd: 26(-6,-7.55) 27(-5.5,-7.55) 28(-5,-7.55) 29(-4.5,-7.55) 30(-4,-7.55) 31(-3.5,-7.55) 32(-3,-7.55) 33(-2.5,-7.55) 34(-2,-7.55) 35(-1.5,-7.55) 36(-1,-7.55) 37(-0.5,-7.55) 38(0,-7.55) 39(0.5,-7.55) 40(1,-7.55) 41(1.5,-7.55) 42(2,-7.55) 43(2.5,-7.55) 44(3,-7.55) 45(3.5,-7.55) 46(4,-7.55) 47(4.5,-7.55) 48(5,-7.55) 49(5.5,-7.55) 50(6,-7.55) 76(6,7.55) 77(5.5,7.55) 78(5,7.55) 79(4.5,7.55) 80(4,7.55) 81(3.5,7.55) 82(3,7.55) 83(2.5,7.55) 84(2,7.55) 85(1.5,7.55) 86(1,7.55) 87(0.5,7.55) 88(0,7.55) 89(-0.5,7.55) 90(-1,7.55) 91(-1.5,7.55) 92(-2,7.55) 93(-2.5,7.55) 94(-3,7.55) 95(-3.5,7.55) 96(-4,7.55) 97(-4.5,7.55) 98(-5,7.55) 99(-5.5,7.55) 100(-6,7.55)
  silkscreen extent -7.67,-6.25 6.25,6.82, body extent -7,-7 7,7, height 1.6
SW-PB-SMD [mil]
  rect 100x50 smd: 1(-10,10)
  oval 100x50 smd: 2(280,-165) 3(-10,-165) 4(280,10)
  silkscreen extent 0,-205 265,50, body extent -28,-206 297,50, height 140
TESTPOINT [mil] "TESTPOINT"
  rect 30x30 smd paste-300: 1(0,0)
USB_F_MINI [mm]
  round 0.9 hole 0.9 unplated: 0(-2.6,2.2) 0(-2.6,-2.2)
  rect 2.3x0.5 smd: 1(0,1.6) 2(0,0.8) 3(0,0) 4(0,-0.8) 5(0,-1.6)
  rect 2x2 smd: M1(-5.35,4.45) M2(0.15,4.45) M3(-5.35,-4.45) M4(0.15,-4.45)
  silkscreen extent -7.85,-3.65 0.91,3.7, body extent -8.35,-4.95 1.05,4.95, height 3.95
"XTAL 6035" [mm] "6035 Quartz"
  rrect50% 2x1.3 smd: 1(-2.3,1.25)
  rect 2x1.3 smd: 2(2.3,1.25) 3(2.3,-1.25) 4(-2.3,-1.25)
  silkscreen extent -3.5,-2.1 3.5,2.1, body extent -3,-1.8 3,1.8, height 1.21
"XTAL MC-306" [mm] "32kHz Quartz"
  rrect50% 1.3x1.9 smd: 1(2.75,1.6)
  rect 1.3x1.9 smd: 2(-2.75,1.6) 3(2.75,-1.6) 4(-2.75,-1.6)
  silkscreen extent -4,-2 4,2, body extent -4,-2 4,2, height 2.4

## Part data
C1 C15 C16 C22 C25 C26 C32 C33 C34 C36: library part Passives_Capacitors_1210_1210C-TBD, "CAPACITOR 1210 CERAMIC VALUE TO BE DETERMINED"
C2 C19 C35 C37: library part "Passives_Capacitors_Tantalum_1206C-TANTAL SIZE A-10u16V"
C3 C4 C5 C6 C7 C8 C13 C14: library part Passives_Capacitors_0402_1UF-10V-X5R-SAM, "CAPACITOR 0402 CERAMIC"
C9 C10: library part Passives_Capacitors_0603_6N850V-X7R-MUR, "CAPACITOR 0603 CERAMIC"
C11 C12: library part Passives_Capacitors_0603_22PF-50V-C0G-PAN, "CAPACITOR 0603 CERAMIC"
C17 C18 C20 C21 C23 C24: library part Passives_Capacitors_0603_100NF-25V-X7R-TDK, "CAPACITOR 0603 CERAMIC"
C27 C28 C30 C31: library part Passives_Capacitors_0603_1UF-35V-X5R-TAY, "CAPACITOR 0603 CERAMIC"
C29: library part Passives_Capacitors_0603_2N2-50V-C0G-MUR, "CAPACITOR 0603 CERAMIC"
CN1: "SSD1306 OLED 128x64"
D1 D2 D3 D4 D5 D6 D7 D8: library part LED_SMD_0805
J1 J2 J3 J4 J5 J6 J7 J8 J9 J10 J11 J12 J13 J14 J15 J16 J17 J18 J19 J20 J21 J22 J23 J24 J25 J26 J27 J28 J29: "SOLDERDOT BYPASS"
K1 K16: "5.5mm SMD"
K2: "SMD Header 6x2"
K3 K13 K14 K15: "SMD Header 2x1"
K4: "Picoblade 10p"
K5: "SWD SMD Header 5x1 for STM32"
K6: "SMD Header 4x1"
K7 K8 K10 K11: "SMD Header 3x1"
K9: "MINI USB B FEMALE"
K12: library part Connector_SD_SMD_SCHD3A0100
M1 M2 M3 M4: library part MOUNTING, "MOUNTING HOLE - NON INSTALLABLE"
M5: "nRF24L01+"
R1 R2 R3 R4 R5 R6 R7 R8 R9 R10 R11 R12 R13 R14 R15 R16 R17 R18 R19: library part 0805R-0R, "RESISTOR 0805 1 WATT"
R43 R44 R45 R46 R47 R48 R49 R50 R68: library part 0805R-10K, "RESISTOR 0805 1/4 WATT THIN FILM"
R51: library part 0805R-330, "RESISTOR 0805 1/4 WATT THIN FILM"
R52 R53: library part 0805R-22, "RESISTOR 0805 1/4 WATT THIN FILM"
R54 R55 R56 R57 R58 R59 R60 R61: library part Passives_Resistors_0603_TBD, "RESISTOR 0603 VALUE TO BE DETERMINED"
R62: library part 0603R-100, "GENERIC RESISTOR 0603"
R63: library part 0805R-330K, "RESISTOR 0805 1/4 WATT THIN FILM"
R64 R65 R66 R67 R69 R70: library part 0805R-100K, "RESISTOR 0805 1/4 WATT THIN FILM"
R71 R72: library part 0805R-680, "RESISTOR 0805 1/4 WATT THIN FILM"
RP1: library part ARRAY4-220R-ROHM, "GENERIC RESISTOR ARRAY 4X INDEPENDENT"
SW1 SW2 SW3 SW4 SW5 SW6 SW7: "PUSHBUTTON SWITCH 6MM SMD"
U1: "ARM Cortex-M4 32-bit MCU+FPU, 210 DMIPS, 1024 kB Flash, 192 kB Internal RAM, 82 I/Os, 100-pin LQFP, -40 to 85 degC, Tray"
U2: library part Battery_SMD_TP4056
Y1: library part "32k Quartz"
Y2: library part "6035 Quartz"

## Nets (pads, with @x,y where several pads share a name; then routed paths per layer and width w, separated by ;. In a path a pad name is that pad's centre, name@x,y a point inside that pad or via, vN(x,y) a via of type N, cw(c..) or ccw(c..) an arc to the next point about the centre after c; other vN are vias at no path point)
3V3: C2.1 C3.1 C4.1 C5.1 C6.1 C7.1 C8.1 C13.1 C14.1 C18.2 C19.1 C22.1 C25.1 C27.1 C28.2 C33.2 CN1.6 CN1.9 K2.12 K5.1 K6.3 K7.1 K8.1 K12.4 K13.1 M5.2 R1.1 R1.2 R2.1 R2.2 R20.1 R20.2 R21.1 R21.2 R22.1 R22.2 R23.1 R23.2 R24.1 R24.2 R25.1 R25.2 R26.1 R26.2 R27.1 R27.2 R28.1 R28.2 R58.1 R59.1 R60.1 R61.1 SW1.2 SW2.2 SW3.2 SW4.2 SW5.2 SW6.2 U1.6 U1.11 U1.19 U1.21 U1.22 U1.28 U1.50 U1.75 U1.100 | length 26182.3
  Top Layer w10: 1410,1234.54 1410,1235.96 1449.11,1275.07 1449.11,1289.16 1448.41,1289.86 1449,1290.44 1449,1439 1450.11,1440.11
  Top Layer w12: CN1.6@230.63,2528.19 314.19,2528.19 326,2540 326,2550.8 345.2,2570 415,2570 C33.2@455.87,2610.87 ; CN1.9@230.63,2610.87 360,2610.87 ; C28.2@360,2635 360,2610.87 ; C27.1@560,2580 486.73,2580 C33.2@455.87,2610.87 ; K7.1@965,2240 965,2175 880,2090 880,2010 920,1970 1300,1970 1310,1960 1425.93,1960 U1.100@1442.78,1943.15 1545.93,1840 1545.93,1820.81 U1.6@1512.38,1787.25 ; 1060,1520 1140,1600 1480,1600 C4.1@1520,1640 1520,1655.68 U1.11@1581.98,1717.66 1644.32,1780 1710,1780 1760,1730 1760,1672.97 U1.19@1693.33,1606.3 1647.03,1560 C7.1@1620,1560 1570,1560 1450.11,1440.11 ; 1410,1234.54 1410,1220 R25.2@1484.54,1145.46 ; C2.1@1600,1330 C2.1@1620,1350 ; C8.1@1620,1430 1660,1430 1697.63,1467.63 1697.63,1527.08 U1.22@1735.09,1564.54 ; C13.1@1650,1460 1680,1490 1680,1537.29 U1.21@1721.17,1578.46 ; U1.75@1863.15,2277.22 1863.15,2348.15 C5.1@1890,2375 ; U1.28@1890.99,1550.62 C25.1@2010,1431.61 ; U1.50@2197.22,1856.85 2224.07,1830 C6.1@2270,1830 ; 360,2610.87 C33.2@455.87,2610.87
  Top Layer w20: C27.1@560,2580 640,2580 965,2255 K7.1@965,2240 ; R24.1@1680,2700 1620,2700 1580,2660 1580,2560 K5.1@1685.96,2454.04 1810.96,2454.04 C5.1@1890,2375 ; R61.1@2075,450 2050,475 2050,650 2062.5,662.5 2075,675 ; R59.1@2275,450 2275,671 ; R21.2@2425,3200 2425,3225 2520,3320 R60.1@2520,3440 ; R21.1@2560,3200 R22.1@2700,3200 2700,3230 2820,3350 R58.1@2820,3440 ; R22.2@2835,3200 3010,3200 3055,3245 ; SW2.2@2845,2885 2845,2840 2880,2805 3155,2805 ; SW5.2@3120,2460 3177,2517 3177,2652.46 3187.54,2663 3252.46,2663 3268,2647.46 3268,2442 3305,2405 3405,2405 3480,2480 3480,2790 3550,2720 3850,2720 3861,2709 3861,2351 C18.2@3705,2195 ; SW1.2@3120,3310 3055,3245 ; SW4.2@3395,2885 3395,2840 3430,2805 ; SW6.2@3820,2885 3740,2805 3430,2805 ; 3055,3245 3055,2950 SW3.2@3120,2885 3120,2840 3155,2805 ; 3155,2805 3430,2805
  Top Layer w30: K7.1@970,2240 K7.1@965,2240 216.16,2240 ; 1060,1520 680,1520 650,1490 180,1490 150,1520 150,2173.84 216.16,2240 ; K12.4@1326.06,3490.39 1326.06,3543.94 1293.08,3576.92 ; C2.1@1620,1350 C8.1@1620,1430 C13.1@1650,1460 ; R24.2@1670,2850 1670,3140 1530,3280 1530,3510 1463.08,3576.92 1293.08,3576.92 ; C25.1@2010,1410 2010,1150 2280,880 2320,880 2420,780 2420,700 2396,676 ; 2075,675 2076,676 2396,676 ; C6.1@2280,1830 2300,1810 2350,1810 2670,1490 2670,1340 R20.1@2580,1250 ; K8.1@2335.96,1334.04 2420,1250 R20.2@2445,1250 ; R2.1@3490,660 3460,630 2840,630 2794,676 2396,676 ; R2.2@3490,760 R26.1@3490,850 ; 216.16,2240 59,2397.16 59,3252.84 356.16,3550 K6.3@865,3550 891.92,3576.92 1293.08,3576.92
  Top Layer w40: R23.1@590,1340 730,1200 1430,1200 R25.2@1484.54,1145.46 1499.09,1145.46 1520,1166.37 R1.1@1520,1230 ; R1.2@1600,1230 C2.1@1600,1330 ; R20.1@2580,1250 2760,1430 3830,1430 ; K2.12@3023.7,1250 3113.7,1340 3520,1340 3584.31,1275.69 3785.69,1275.69 3830,1320 3830,1430 ; R26.2@3490,985 3535,1030 R27.1@3600,1030 ; R28.1@3490,1180 3585,1180 R27.2@3600,1165 ; C18.2@3705,2195 3705,2165 C19.1@3750,2120 3750,1876.3 M5.2@3781.3,1845 3825,1845 3870,1800 3870,1470 3830,1430
  Top Layer w50: K13.1@1540,355 1785,355 1900,470 1900,580 1982.5,662.5 2062.5,662.5 ; R25.1@1580,1050 1700,1170 1800,1170 1990,980 1990,670
5V0: C36.1 C37.1 D7.A D8.A K16.VCC U2.4 U2.8 | length 1816.7
  Top Layer w30: C36.1@670,880 C37.1@800,880 ; 830,640 835,645 U2.8@924.49,645 925.49,646 1264,646 1296.26,613.74 D7.A@1296.26,600 D8.A@1296.26,530
  Top Layer w60: U2.4@735.51,495 805,495 830,520 830,640
  Top Layer w80: K16.VCC@226.85,910.47 K16.VCC@463.07,910.47 809.53,910.47 880,840 880,690 835,645
AFE_CON_SYNC1: J6.2 K4.6 R14.1 R14.2 | length 1980.6
  Top Layer w8: J6.2@2310,1247 2312.82,1244.18 2380,1177 2380,1120 2400,1100 2650,1100 2700,1150 R14.1@2760,1150 ; R14.2@2750,1230 2848.85,1230 2958.54,1120.31 3679.48,1120.31 3764,1035.8 3764,824.2 3730.39,790.59 3730.39,770.39 K4.6@3688.5,770.39
AFE_CS: J7.1 U1.29 | length 444.8
  Top Layer w10: U1.29@1904.91,1564.54 1989.45,1480 2000,1480 2080,1400 2080,1380 2050,1350 2050,1225 2057.18,1217.82 J7.1@2060,1215
AFE_INT: J8.1 U1.33 | length 473
  Top Layer w10: U1.33@1960.59,1620.22 2149.13,1431.67 2168.33,1431.67 2240,1360 2240,1288 J8.1@2240,1285 J8.1@2240,1274.17
AFE_MISO: J3.1 U1.31 | length 400.3
  Top Layer w10: U1.31@1932.75,1592.38 1932.87,1592.38 2140,1385.25 J3.1@2140,1278
AFE_MOSI: J4.1 U1.32 | length 349.1
  Top Layer w10: U1.32@1946.67,1606.3 2190,1362.97 J4.1@2190,1358
AFE_SCK: J2.1 U1.30 | length 311.6
  Top Layer w10: U1.30@1918.83,1578.46 2001.29,1496 2006.63,1496 2100,1402.63 2100,1348 J2.1@2100,1345
AFE_SYNC1: J6.1 U1.34 | length 497.6
  Top Layer w10: U1.34@1974.51,1634.14 2160.97,1447.67 2182.33,1447.67 2260,1370 2260,1338 J6.1@2310,1288
AFE_SYNC2: J1.1 U1.35 | length 801.8
  Top Layer w10: U1.35@1988.43,1648.06 2172.81,1463.67 2188.95,1463.67 2252.63,1400 2330,1400 2430,1300 2470.56,1300 2490,1280.56 2490,1210 2470,1190 2452,1190 J1.1@2430,1168
AFE_SYNC3: J5.1 U1.36 | length 538
  Top Layer w10: U1.36@2002.34,1661.98 2184.65,1479.67 2200.33,1479.67 2260,1420 2340,1420 2390,1370 J5.1@2419.36,1370
BATVOLTAGE: R6.1 R6.2 R64.2 R65.1 R66.2 R67.1 R69.2 R70.1 U1.25 | length 4037.6
  Top Layer w10: 1674.54,1240 1674.85,1240 1800,1365.15 1800,1365.46
  Top Layer w12: 1612.27,1177.73 1674.54,1240 ; U1.25@1776.85,1522.78 1800,1499.63 1800,1365.46
  Top Layer w20: R6.2@480,360 350,360 320,390 140,390 50,480 50,1020 90,1060 1490,1060 1610,1180 ; R6.1@540,360 570,360 610,320 610,210 630,190 740,190 750,200 R67.1@750,250 ; R67.1@750,250 R66.2@830,250 R64.2@830,330 ; R67.1@750,250 R65.1@750,330 ; R65.1@750,330 R64.2@830,330 ; R65.1@750,330 R70.1@750,410 R69.2@830,410 R64.2@830,330
BOOT0: K7.2 R43.2 | length 105
  Top Layer w12: K7.2@1095,2140 R43.2@1200,2140
BOOT1: K8.2 R44.2 | length 133.4
  Top Layer w12: R44.2@2196.57,1533.43 2233.33,1496.67 K8.2@2314.75,1496.67
CRY_IN: U1.12 Y2.2 | length 301.7
  Top Layer w12: Y2.2@1370,1560 1480,1560 1547.91,1627.91 1547.91,1655.75 U1.12@1595.9,1703.74
CRY_OUT: U1.13 Y2.4 | length 529.9
  Top Layer w12: Y2.4@1190,1460 1240,1510 1455.46,1510 1565.91,1620.45 1565.91,1645.91 U1.13@1609.82,1689.82
ENC1_A: J10.1 U1.63 | length 1635
  Top Layer w12: U1.63@2030.18,2110.18 2499.69,2579.69 2499.69,3229.69 2520,3250 2668,3250 J10.1@2770,3352
ENC1_B: J11.1 U1.64 | length 1480.7
  Top Layer w12: U1.64@2016.26,2124.1 2480,2587.84 2480,3240 2510,3270 2550,3270 2570,3290 J11.1@2570,3352
ENC2_A: J12.1 R9.1 R9.2 R36.1 R36.2 U1.23 | length 1325.2
  Top Layer w12: R9.2@1700.5,1309.5 1680,1330 1680,1350 1715.63,1385.63 1715.63,1517.24 U1.23@1749.01,1550.62 ; R9.1@1757.07,1252.93 1777.07,1252.93 2030,1000 2030,750 2070,710 2275,710 R36.2@2325,760
  Top Layer w20: J12.1@2325,538 R36.1@2325,625
ENC2_B: J13.1 R10.1 R10.2 R37.1 R37.2 U1.24 | length 995.2
  Top Layer w12: R10.2@1750.5,1359.5 1733.63,1376.37 1733.63,1507.41 U1.24@1762.93,1536.7 ; R10.1@1807.07,1302.93 1807.07,1248.38 2048,1007.46 2048,772 2060,760 R37.2@2125,760
  Top Layer w20: J13.1@2125,538.83 R37.1@2125,625